# Altium PCB MicroBoard030603.PcbDoc (continued)
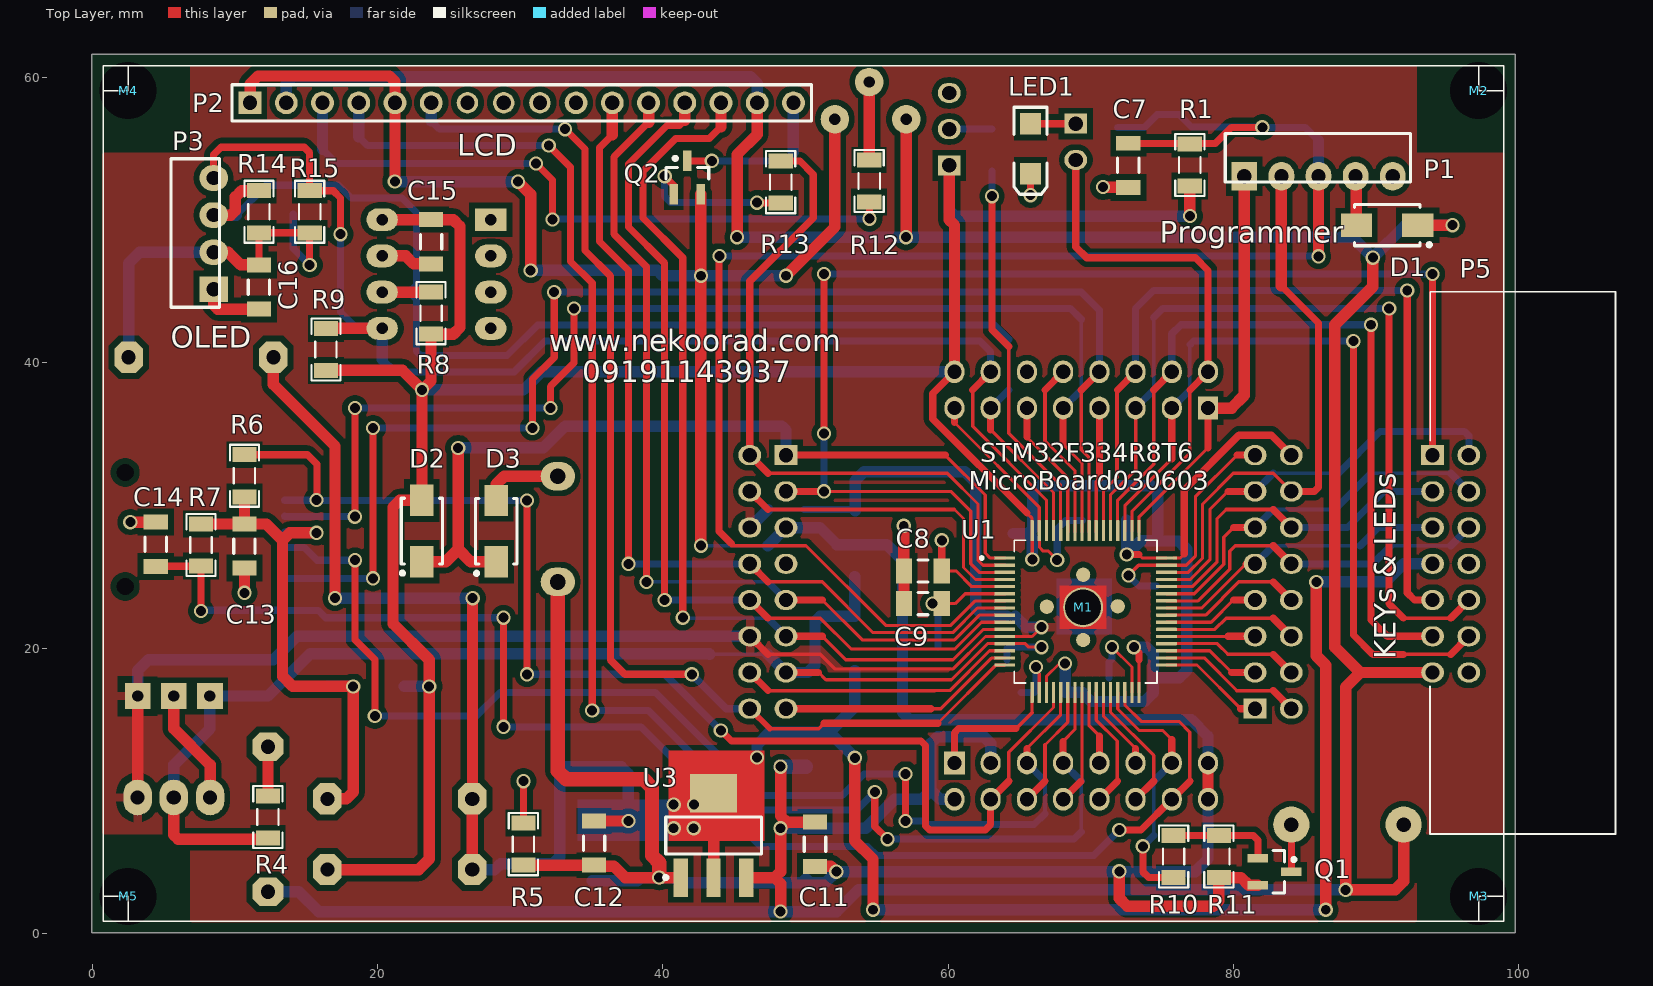
[diagram p0: Top Layer view]
## Nets (pads, with @x,y where several pads share a name; then routed paths per layer and width w, separated by ;. In a path a pad name is that pad's centre, name@x,y a point inside that pad or via, vN(x,y) a via of type N, cw(c..) or ccw(c..) an arc to the next point about the centre after c; other vN are vias at no path point)
+3V3: C12.2 CE5.1 L1.2 L2.1 L4.1 L5.1 LED2.1 P5.7 U3.2 U3.4 | length 174.5
  Top Layer w0.8: L5.1 12.7,38.481 17.018,34.163 v1(17.018,23.495) ; L2.1 L4.1 26.657,9.436 v1@26.657,23.482 ; C12.2 v1(37.592,7.874) ; U3.2 U3.4 43.861,9.808 46.372,12.319 v1(46.609,12.319) ; v1(53.467,12.301) 53.467,6.477 54.737,5.207 v1(54.737,1.651) ; v1(85.822,24.638) 85.822,19.461 86.487,18.796 v1(86.487,1.651)
  Bottom Layer w0.8: v1(17.018,23.495) v1(26.67,23.495) ; L2.1@26.645,4.445 28.194,4.445 28.631,4.882 LED2.1 32.297,4.882 32.766,5.351 32.766,11.197 33.235,11.666 34.857,11.666 34.884,11.693 37.075,11.693 37.592,11.176 v1(37.592,7.874) 39.37,7.874 40.489,8.993 42.164,8.993 v1(42.189,9.017) ; v1(46.609,12.319) 46.609,13.208 47.498,14.097 51.696,14.097 ; v1(53.467,12.301) 53.467,12.326 51.696,14.097 ; L1.2 53.467,15.868 51.696,14.097 ; v1(54.737,1.651) v1(86.487,1.651) ; v1(85.822,24.638) 90.678,24.638 91.948,25.908 P5.7
  other v1: 40.767,7.366 42.164,7.366 40.767,9.017
+3V3_MIC: C1.2 C2.2 C3.2 C4.2 C6.2 C15.2 CE2.1 D2.1 J2.1 L2.2 Pc.16 Pd.16 R1.2 R8.2 R9.2 U1.19 U1.32 U1.48 U1.64 U4.8 | length 236.8
  Top Layer w0.22: 65.532,29.464 65.898,29.098 U1.64 ; v1@65.903,26.203 U1.64@65.903,28.226 ; U1.19 66.898,18.003 67.818,18.923 v1(68.199,18.923) ; 73.391,26.558 73.638,26.311 U1.48 ; U1.32@73.402,16.895 73.402,19.178 ; U1.48@75.803,26.311 76.268,26.311 76.561,26.604
  Top Layer w0.5: Pd.16 58.928,37.846 58.928,36.068 65.532,29.464 ; v1(72.533,26.558) 73.391,26.558 ; v1(73.025,20.066) 73.402,19.689 73.402,19.178 ; 76.561,26.604 76.561,31.095 80.391,34.925 82.677,34.925 Pc.16
  Top Layer w0.8: R9.2 21.746,39.468 23.107,38.107 v1(23.114,38.107) ; L2.2 22.885,4.47 23.622,5.207 v1(23.622,17.31) 23.622,19.177 21.082,21.717 21.082,29.884 21.551,30.353 D2.1 23.114,38.1 23.749,38.735 R8.2 25.312,42.008 25.781,42.477 25.781,49.569 25.312,50.038 C15.2 U4.8 ; J2.1 60.086,50.023 60.452,49.657 Pd.16 ; v1(76.962,50.292) 76.958,50.296 76.958,52.409 R1.2@76.962,52.413
  Bottom Layer w0.8: CE2.1 v1(23.622,17.31) ; v1(23.114,38.107) 23.121,38.1 30.226,38.1 31.496,39.37 Pd.16 ; J2.1 60.086,50.673 60.467,50.292 v1(76.962,50.292) ; C4.2 65.615,28.033 ; v1(65.908,26.208) 65.908,27.74 65.615,28.033 ; v1(68.199,18.923) 68.212,18.91 68.212,16.904 C1.2 69.4,16.891 70.035,16.256 70.423,16.256 ; 70.424,16.256 73.785,16.256 74.379,16.85 C2.2 ; C6.2 72.525,28.948 v1@72.525,26.566 ; v1(72.533,26.558) 73.508,27.533 C3.2 ; v1(73.025,20.066) 73.914,20.066 74.379,19.601 C2.2 ; 65.615,28.033 65.933,28.351 65.933,30.9 66.402,31.369 74.239,31.369 74.708,30.9 C3.2 ; C2.2 76.206,17.906 76.733,18.433 76.733,26.933 76.158,27.508 74.733,27.508 C3.2
+3V3_OLED: C16.2 CE7.1 L5.2 P3.2 R14.2 R15.2 | length 28.7
  Top Layer w0.5: P3.2@8.389,47.879 P3.2 P3.2@8.513,47.756 ; 11.681,47.756 11.684,47.752 ; C16.2 11.684,47.752 ; v1(15.24,46.863) R15.2 R14.2 11.684,47.752
  Top Layer w0.8: P3.2@8.513,47.756 9.522,47.756 10.411,46.867 C16.2@11.681,46.867
  Bottom Layer w0.5: CE7.1 14.087,48.016 v1(15.24,46.863)
  Bottom Layer w0.8: L5.2 2.54,46.99 3.309,47.759 P3.2
+3V3_SD: C13.2 CE6.1 L4.2 R6.2 R7.1 SD.4 | length 38.9
  Top Layer w0.8: R7.1 C13.2 ; R6.2 C13.2 ; v1(15.718,28.081) 13.857,28.081 13.335,27.559 ; L4.2 17.805,9.423 18.288,9.906 v1(18.288,17.31) 14.059,17.31 13.335,18.034 13.335,27.559 ; C13.2 12.192,28.702 13.335,27.559
  Bottom Layer w0.5: SD.4 14.775,28.151 14.846,28.081 v1(15.718,28.081)
  Bottom Layer w0.8: CE6.1 v1(18.288,17.31)
+5V0: BK_LCD.1 Buz.1 C11.2 CE4.1 D1.2 L3.1 P2.2 P2.15 P5.13 Pb.2 Pb.3 U3.3 | length 284.7
  Top Layer w0.8: v1(45.212,48.808) 45.212,54.608 46.622,56.018 P2.15 ; U3.3 47.84,3.908 ; v1(48.26,1.524) 48.26,3.488 47.84,3.908 ; v1(48.26,11.684) 48.26,8.23 48.692,7.798 ; C11.2 48.692,7.798 ; v1@57.069,48.822 BK_LCD.1 ; v1(89.789,47.378) 89.789,45.339 87.122,42.672 87.122,20.066 88.9,18.288 ; Buz.1 91.948,3.644 91.352,3.048 v1(87.884,3.048) 87.884,17.272 88.9,18.288 ; D1.2 v1(95.377,49.657) ; P5.13 88.9,18.288 ; 47.84,3.908 48.26,4.328 v1(48.26,7.366) 48.692,7.798
  Bottom Layer w0.8: L3.1 14.478,2.921 15.875,1.524 v1(48.26,1.524) 52.197,1.524 53.721,3.048 v1(87.884,3.048) ; P2.2 13.602,59.589 14.071,60.058 46.153,60.058 46.622,59.589 P2.15 ; v1(45.212,48.808) v1(57.062,48.808) 88.359,48.808 v1(89.789,47.378) ; v1(48.26,7.366) 54.229,7.366 56.261,9.398 58.166,9.398 58.801,10.033 ; Pb.2 59.436,9.398 58.801,10.033 ; Pb.3 62.992,13.317 62.523,13.786 59.27,13.786 58.801,13.317 58.801,10.033 ; v1@89.789,47.371 92.075,49.657 v1(95.377,49.657)
  Bottom Layer w1: v1(48.26,11.684) 50.034,11.684 CE4.1
AGND: C5.1 CE1.2 Pa.6 Pa.12 POT1.2 U1.12 U2.1 | length 107.8
  Top Layer w0.22: 51.054,19.558 52.07,18.542 60.36,18.542 62.629,20.811 U1.12 65.896,20.811 v1(66.548,21.463)
  Top Layer w0.25: 47.371,19.558 51.054,19.558
  Top Layer w0.5: Pa.12 47.371,19.558
  Top Layer w0.8: U2.1 POT1.2@3.175,16.627
  Bottom Layer w0.25: 47.371,29.718 49.911,29.718
  Bottom Layer w0.5: 49.911,29.718 53.393,29.718 CE1.2
  Bottom Layer w0.8: POT1.2 3.185,18.425 3.937,19.177 12.7,19.177 14.351,20.828 Pa.12 ; Pa.6 47.371,29.718 ; CE1.2 53.482,31.732 54.108,32.358 61.183,32.358 61.933,31.608 61.933,22.808 62.491,22.25 C5.1 ; C5.1@64.727,22.224 65.488,21.463 v1(66.548,21.463)
BackLight: P2.16 Q2.3 | length 11.2
  Top Layer w0.5: Q2.3 v1(43.434,54.166)
  Bottom Layer w0.5: v1(43.434,54.166) 48.57,54.166 49.162,54.758
  Bottom Layer w0.8: 49.162,54.758 P2.16
BKL: Pa.2 R13.2 U1.2 | length 47.6
  Top Layer w0.22: 59.944,32.258 62.103,30.099 62.103,26.162 62.454,25.811 U1.2
  Top Layer w0.25: 47.371,32.258 59.944,32.258
  Top Layer w0.5: 47.371,32.258 Pa.2 46.101,45.72 50.546,50.165 50.546,53.213 49.615,54.144 R13.2
BOOT0: R3.1 U1.60 | length 27.3
  Top Layer w0.22: 64.262,35.052 67.893,31.421 U1.60@67.893,28.15
  Top Layer w0.25: 64.262,35.052 64.262,41.148
  Top Layer w0.5: v1(63.086,51.689) 63.086,42.324 64.262,41.148
  Bottom Layer w0.5: v1(63.086,51.689) R3.1
Buzzer: Pb.13 R10.2 U1.29 | length 18.3
  Top Layer w0.22: U1.29 71.898,15.732 73.406,14.224 75.057,14.224 75.692,13.589
  Top Layer w0.5: v1(73.66,6.096) 73.66,4.318 74.07,3.908 R10.2 ; Pb.13 75.692,13.589
  Bottom Layer w0.25: 74.422,6.858 74.422,10.668
  Bottom Layer w0.5: v1(73.66,6.096) 74.422,6.858 ; 74.422,10.668 Pb.13
EN: P2.6 Pa.16 U1.16 | length 80.9
  Top Layer w0.22: 59.294,14.747 63.343,18.796 63.964,18.796 U1.16
  Top Layer w0.25: 47.498,14.351 50.927,14.351 51.308,14.732
  Top Layer w0.4: Pa.16 47.498,14.351
  Top Layer w0.5: v1(33.147,56.388) 34.544,54.991 34.544,47.879 36.322,46.101 36.322,19.177 37.338,18.161 v1(42.037,18.161) ; 51.308,14.732 59.294,14.732
  Bottom Layer w0.5: 23.762,56.958 24.332,56.388 v1(33.147,56.388) ; v1(42.037,18.161) 44.45,15.748 Pa.16
  Bottom Layer w0.8: 23.762,56.958 P2.6
GND: B1.2 C1.1 C2.1 C3.1 C4.1 C6.1 C7.2 C8.1 C9.2 C13.1 C14.2 C15.1 C16.1 CE2.2 CE6.2 CE7.2 J2.3 K1.1 M1.1 P1.5 P3.1 P5.8 P5.14 Pc.15 Pd.15 R2.1 SD.6 SD.10 SD.11 SD.12 SD.13 U1.18 U1.31 U1.47 U1.63 U4.1 U4.2 U4.3 U4.4 U4.7 | length 88.5
  Top Layer w0.22: 60.452,35.814 66.398,29.868 U1.63 66.413,28.216 66.413,27.06 66.675,26.797 67.044,26.797 v1(67.658,26.183) ; v1(66.167,18.669) 66.167,18.453 66.398,18.222 U1.18 ; v1(71.501,20.066) 72.898,18.669 U1.31 ; 73.361,25.811 U1.47 76.703,25.811 77.343,26.451 77.343,30.607 80.264,33.528
  Top Layer w0.25: v1(72.653,25.103) 73.361,25.811
  Top Layer w0.5: 60.452,35.814 Pd.15 ; C7.2@72.631,52.311 C7.2 ; 80.264,33.528 Pc.15
  Top Layer w0.8: v1(2.667,28.829) C14.2 ; P3.1 8.509,44.057 8.802,43.764 C16.1 ; v1(10.668,23.876) C13.1 ; U4.7 21.971,47.498 22.53,46.939 C15.1 ; v1(56.896,28.575) 56.905,28.567 56.905,25.409 C8.1 C9.2 ; v1@70.898,52.311 C7.2@72.631,52.311
  Top Layer w1: B1.2 32.639,11.381 33.225,10.795 38.657,10.795 39.243,10.209 39.243,6.731
  Bottom Layer w0.22: C3.1@74.632,24.358 C3.1
  Bottom Layer w0.5: C1.1 66.05,16.891 66.167,17.008 v1(66.167,18.669) ; v1@67.658,26.183 C4.1 ; C4.1 67.657,28.358 68.255,28.956 C6.1 ; C2.1 71.28,19.005 71.501,19.226 v1(71.501,20.066) ; v1(72.653,25.103) 73.397,24.358 C3.1@74.632,24.358
  other v1: 70.866,52.324
I2C1-SCL: P3.3 Pd.13 R8.1 R14.1 U1.61 U4.6 | length 94.6
  Top Layer w0.22: 62.992,35.306 67.393,30.905 U1.61@67.393,28.15
  Top Layer w0.5: 62.992,35.306 Pd.13
  Top Layer w0.8: P3.3 9.719,50.359 10.033,50.673 10.033,51.633 10.47,52.07 R14.1 ; U4.6 R8.1
  Bottom Layer w0.25: 64.262,38.1 64.262,41.656
  Bottom Layer w0.5: 10.1,50.359 12.192,52.451 17.272,52.451 18.161,51.562 21.717,51.562 22.733,50.546 22.733,45.466 22.225,44.958 ; U4.6 22.225,44.958 ; Pd.13 64.262,38.1 ; 64.262,41.656 63.26,42.658 31.228,42.658 29.083,40.513 23.026,40.513 22.733,40.806 22.733,44.45 22.225,44.958
  Bottom Layer w0.8: P3.3 10.1,50.359
I2C1-SDA: P3.4 Pd.14 R9.1 R15.1 U1.62 U4.5 | length 90.7
  Top Layer w0.22: 61.722,35.56 66.898,30.384 U1.62
  Top Layer w0.25: 61.722,35.56 61.722,38.1
  Top Layer w0.5: P3.4 8.509,54.61 9.017,55.118 14.859,55.118 15.24,54.737 R15.1 16.891,52.07 17.399,51.562 v1(17.399,49.022) ; 61.722,38.1 Pd.14
  Top Layer w0.8: R9.1 U4.5
  Bottom Layer w0.5: v1(17.399,49.022) 17.399,43.561 18.542,42.418 ; 20.32,40.259 21.209,39.37 29.591,39.37 31.75,41.529 62.23,41.529 62.992,40.767 Pd.14
  Bottom Layer w0.8: 18.542,42.418 U4.5 20.32,40.259
K-R-A: P5.5 Pc.9 U1.41 | length 21
  Top Layer w0.22: U1.41 77.802,22.811 Pc.9@80.899,25.908
  Top Layer w0.5: Pc.9@80.899,25.908 Pc.9
  Bottom Layer w0.25: 82.804,27.178 88.9,27.178
  Bottom Layer w0.5: Pc.9 82.804,27.178 ; 88.9,27.178 90.17,28.448 P5.5
K-R-B: P5.6 Pc.10 U1.42 | length 24.7
  Top Layer w0.22: U1.42 77.54,23.311 79.756,25.527 79.756,26.797 80.137,27.178
  Top Layer w0.25: 80.137,27.178 82.804,27.178
  Top Layer w0.5: 82.804,27.178 Pc.10
  Bottom Layer w0.25: 91.059,27.178 95.25,27.178
  Bottom Layer w0.5: Pc.10@84.455,25.908 89.789,25.908 91.059,27.178 ; 95.25,27.178 P5.6
KEY3-R: P5.4 Pc.11 U1.43 | length 26.3
  Top Layer w0.22: U1.43 77.271,23.811 79.336,25.876 79.336,27.774 80.01,28.448
  Top Layer w0.5: 80.01,28.448 Pc.11
  Bottom Layer w0.25: 82.804,29.718 87.122,29.718 ; 89.662,32.258 95.25,32.258
  Bottom Layer w0.5: Pc.11 82.804,29.718 ; 87.122,29.718 89.662,32.258 ; 95.25,32.258 P5.4
KEY4: P5.3 Pc.12 U1.44 | length 23.9
  Top Layer w0.22: U1.44 77.129,24.311 78.867,26.049 78.867,29.083 79.502,29.718
  Top Layer w0.25: 79.502,29.718 82.804,29.718
  Top Layer w0.5: 82.804,29.718 Pc.12
  Bottom Layer w0.5: Pc.12@84.455,28.448 88.011,28.448 90.551,30.988 P5.3
KEY5: P5.2 Pc.13 U1.45 | length 29
  Top Layer w0.22: U1.45 76.987,24.811 78.359,26.183 78.359,29.718 79.629,30.988
  Top Layer w0.5: 79.629,30.988 Pc.13
  Bottom Layer w0.25: 82.804,32.258 87.376,32.258
  Bottom Layer w0.5: Pc.13 82.804,32.258 ; 87.376,32.258 90.297,35.179 96.227,35.179 96.52,34.886 P5.2
KEY6: P5.1 Pa.3 U1.3 | length 90.5
  Top Layer w0.22: v1(51.308,30.988) 60.198,30.988 61.595,29.591 61.595,25.908 62.192,25.311 U1.3
  Top Layer w0.5: Pa.3 v1(51.308,30.988) ; v1(51.308,35.052) v1(51.308,46.228) ; P5.1 v1(93.98,46.228)
  Bottom Layer w0.5: v1(51.308,30.988) v1(51.308,35.052) ; v1(51.308,46.228) v1(93.98,46.228)
LCD-D4: P2.11 Pa.8 U1.8 | length 62.6
  Top Layer w0.22: 51.181,24.638 54.737,21.082 60.332,21.082 62.061,22.811 U1.8
  Top Layer w0.25: 47.371,24.638 51.181,24.638
  Top Layer w0.5: 36.462,55.983 35.56,55.081 35.56,48.514 37.592,46.482 v1(37.592,25.908) ; Pa.8 47.371,24.638
  Top Layer w0.8: 36.462,55.983 P2.11
  Bottom Layer w0.5: v1(37.592,25.908) Pa.8
LCD-D5: P2.12 Pa.9 U1.9 | length 63.1
  Top Layer w0.22: 51.181,23.368 53.975,20.574 60.466,20.574 62.203,22.311 U1.9
  Top Layer w0.5: v1(38.862,24.638) 38.862,46.736 36.576,49.022 36.576,54.447 39.002,56.873 ; Pa.9 51.181,23.368
  Top Layer w0.8: 39.002,56.873 P2.12
  Bottom Layer w0.25: v1(38.862,24.638) 47.371,24.638
  Bottom Layer w0.5: 47.371,24.638 Pa.9
LCD-D6: P2.13 Pa.10 U1.10 | length 64.1
  Top Layer w0.22: 51.054,22.098 53.213,19.939 60.473,19.939 62.345,21.811 U1.10
  Top Layer w0.25: 47.371,22.098 51.054,22.098
  Top Layer w0.5: v1(40.132,23.368) 40.132,46.99 37.592,49.53 37.592,53.938 40.302,56.648 41.177,56.648 41.542,57.013 ; Pa.10 47.371,22.098
  Top Layer w0.8: 41.542,57.013 P2.13
  Bottom Layer w0.5: v1(40.132,23.368) Pa.10
LCD-D7: P2.14 Pa.11 U1.11 | length 65.5
  Top Layer w0.22: 51.181,20.828 52.832,19.177 60.353,19.177 62.487,21.311 U1.11
  Top Layer w0.5: v1(41.402,22.128) 41.402,47.371 38.608,50.165 38.608,53.429 40.912,55.733 43.262,55.733 44.082,56.553 ; Pa.11 51.181,20.828
  Top Layer w0.8: 44.082,56.553 P2.14
  Bottom Layer w0.25: v1@41.432,22.098 47.371,22.098
  Bottom Layer w0.5: 47.371,22.098 Pa.11
LED1: P5.12 Pd.3 U1.51 | length 56.3
  Top Layer w0.22: U1.51 72.398,29.98 75.692,33.274
  Top Layer w0.25: 91.948,19.558 95.25,19.558
  Top Layer w0.5: 75.692,33.274 Pd.3 ; v1(88.422,41.522) 88.422,20.925 89.789,19.558 91.948,19.558 ; 95.25,19.558 P5.12
  Bottom Layer w0.25: 76.962,38.1 76.962,41.275
  Bottom Layer w0.5: Pd.3 76.962,38.1 ; 76.962,41.275 77.209,41.522 v1(88.422,41.522)
LED2: P5.11 Pd.4 U1.52 | length 55.2
  Top Layer w0.22: U1.52@71.893,28.15 71.893,30.364 74.422,32.893
  Top Layer w0.25: 74.422,32.893 74.422,38.1
  Top Layer w0.5: 74.422,38.1 Pd.4 ; v1(89.662,42.672) 89.662,21.971 90.805,20.828 P5.11
  Bottom Layer w0.5: Pd.4 75.692,42.037 76.327,42.672 v1(89.662,42.672)
LED3: P5.10 Pd.5 U1.53 | length 60.3
  Top Layer w0.22: U1.53@71.393,28.15 71.393,30.753 73.152,32.512
  Top Layer w0.25: 73.152,32.512 Pd.5 ; 91.948,22.098 95.25,22.098
  Top Layer w0.5: v1(90.932,43.815) 90.932,23.114 91.948,22.098 ; 95.25,22.098 P5.10
  Bottom Layer w0.25: 74.422,38.1 74.422,43.18
  Bottom Layer w0.5: Pd.5 74.422,38.1 ; 74.422,43.18 75.064,43.822 v1@90.925,43.822
LED4: P5.9 Pd.6 U1.54 | length 59.4
  Top Layer w0.22: U1.54@70.893,28.15 70.893,31.015 71.849,31.971
  Top Layer w0.25: 71.849,31.971 71.849,38.067 71.882,38.1
  Top Layer w0.5: 71.882,38.1 Pd.6 ; v1(92.202,45.078) 92.202,23.876 92.71,23.368 P5.9
  Bottom Layer w0.5: Pd.6 73.152,43.815 74.415,45.078 v1(92.202,45.078)
MCU_RESET: C7.1 K1.2 P1.3 R1.1 U1.7 | length 118.1
  Top Layer w0.22: 44.806,27.178 44.727,27.257 44.727,27.328 44.806,27.328 ; 50.038,27.178 55.626,21.59 60.198,21.59 61.919,23.311 U1.7
  Top Layer w0.25: 44.806,27.178 50.038,27.178
  Top Layer w0.5: v1@43.942,47.468 43.942,28.192 44.806,27.328 ; C7.1@72.663,55.378 R1.1@76.935,55.378 ; R1.1@76.967,55.372 78.74,55.372 79.883,56.515 v1(82.042,56.515)
  Top Layer w0.8: C7.1 C7.1@72.663,55.378 ; R1.1@76.935,55.378 R1.1 R1.1@76.967,55.372 ; v1(85.979,47.468) P1.3
  Bottom Layer w0.5: v1@43.987,47.483 85.964,47.483 v1(85.979,47.468) ; K1.2@71.906,56.515 73.787,56.515 74.676,57.404 76.2,57.404 77.069,56.535 K1.2@79.146,56.535 ; K1.2@79.156,56.525 v1@82.032,56.525 ; v1(82.042,56.515) 85.03,56.515 85.979,55.566
  Bottom Layer w0.8: P1.3 85.979,55.566
  other v1: 43.972,47.498
NetB1_1: B1.1 D3.1 | length 5.7
  Top Layer w0.8: D3.1 28.321,31.496 28.88,32.055 B1.1
NetBK_LCD_3: BK_LCD.3 R12.2 | length 5.5
  Top Layer w0.8: R12.2 BK_LCD.3
NetBuz_2: Buz.2 Q1.3 | length 3.3
  Top Layer w0.5: Q1.3 Buz.2
NetD1_1: D1.1 P1.4 | length 3.5
  Top Layer w0.5: D1.1@88.579,49.724 88.613,49.691 D1.1
  Top Layer w0.8: P1.4 88.613,53.052 D1.1@88.613,49.691
NetJ1_1: J1.1 LED1.1 | length 3.2
  Top Layer w0.5: LED1.1 J1.1
NetJ2_2: J2.2 R3.2 | length 3
  Bottom Layer w0.5: J2.2 R3.2
NetL3_2: L3.2 R4.1 | length 3.4
  Top Layer w0.8: R4.1@12.319,9.639 L3.2
NetLED1_2: LED1.2 R2.2 | length 3.1
  Top Layer w0.5: v1@65.786,51.816 LED1.2
  Bottom Layer w0.5: v1(65.786,51.76) R2.2
NetLED2_2: LED2.2 R5.2 | length 5.2
  Top Layer w0.5: R5.2 v1(30.226,10.668)
  Bottom Layer w0.5: LED2.2 v1(30.226,10.668)
NetPOT1_3: POT1.3 U2.3 | length 8.2
  Top Layer w0.8: POT1.3 5.715,14.351 8.255,11.811 U2.3
NetQ1_1: Q1.1 R10.1 R11.2 | length 7.3
  Top Layer w0.5: R10.1 R11.2 81.407,6.858 81.724,6.541 Q1.1
NetQ2_1: Q2.1 R13.1 | length 11.3
  Top Layer w0.5: v1(40.132,53.086) 40.772,52.446 Q2.1 ; v1@46.629,51.213 48.249,51.213 R13.1
  Bottom Layer w0.5: v1(40.132,53.086) 40.132,51.663 40.562,51.233 v1(46.609,51.233)
OSC_IN: C8.2 U1.5 Y1.2 | length 6.9
  Top Layer w0.22: C8.2@59.69,25.4 60.579,25.4 61.668,24.311 U1.5
  Top Layer w0.5: C8.2 v1(59.563,27.559)
OSC_OUT: C9.1 U1.6 Y1.1 | length 7.8
  Top Layer w0.22: C9.1@59.69,23.114 60.499,23.114 61.196,23.811 U1.6
  Bottom Layer w0.5: v1(58.928,23.114) 59.309,22.733 Y1.1
PA0: Pa.14 U1.14 | length 19.6
  Top Layer w0.22: 59.055,17.018 60.12,17.018 62.913,19.811 U1.14
  Top Layer w0.25: 47.371,17.018 59.055,17.018
  Top Layer w0.5: Pa.14 47.371,17.018
PA1: Pa.15 U1.15 | length 16.8
  Top Layer w0.22: 58.801,15.748 59.492,15.748 63.041,19.296 63.964,19.296 U1.15
  Top Layer w0.5: Pa.15 58.801,15.748
PA3: Pb.1 U1.17 | length 9.6
  Top Layer w0.22: 65.898,15.479 U1.17
  Top Layer w0.25: 64.77,14.351 65.898,15.479
  Top Layer w0.5: Pb.1 60.452,14.058 60.745,14.351 64.77,14.351
PA6: Pb.6 U1.22 | length 8.7
  Top Layer w0.22: 66.802,13.208 68.398,14.804 U1.22
  Top Layer w0.25: 66.802,10.668 66.802,13.208
  Top Layer w0.5: Pb.6 66.802,10.668
PA15: J1.2 Pd.2 U1.50 | length 36.5
  Top Layer w0.22: U1.50 72.898,29.591 76.962,33.655
  Top Layer w0.25: 76.962,33.655 76.962,38.1
  Top Layer w0.5: J1.2 68.961,48.133 69.723,47.371 77.343,47.371 78.232,46.482 Pd.2 76.962,38.1
PB0: Pb.10 U1.26 | length 8.6
  Top Layer w0.22: U1.26 70.398,14.946 71.882,13.462
  Top Layer w0.25: 71.882,10.668 71.882,13.462
  Top Layer w0.5: Pb.10 71.882,10.668
PB1: Pb.11 U1.27 | length 5.9
  Top Layer w0.22: U1.27 70.898,15.208 73.152,12.954
  Top Layer w0.5: Pb.11 73.152,12.954
PB2: Pb.12 U1.28 | length 9.3
  Top Layer w0.22: U1.28 71.398,15.5 74.422,12.476 74.422,12.446
  Top Layer w0.25: 74.422,10.668 74.422,12.446
  Top Layer w0.5: Pb.12 74.422,10.668
PB3: Pd.7 U1.55 | length 8.8
  Top Layer w0.22: U1.55@70.394,28.15 U1.55@70.394,28.913 ; U1.55@70.393,28.913 70.393,31.658 70.612,31.877
  Top Layer w0.5: 70.612,31.877 Pd.7
PB6: Pd.10 U1.58 | length 12.6
  Top Layer w0.22: 66.802,34.544 68.893,32.453 U1.58@68.893,28.15
  Top Layer w0.25: 66.802,34.544 66.802,38.1
  Top Layer w0.5: 66.802,38.1 Pd.10
PB7: Pd.11 U1.59 | length 9.9
  Top Layer w0.22: 65.532,34.798 68.393,31.937 U1.59@68.393,28.15
  Top Layer w0.5: 65.532,34.798 Pd.11
PB11: C14.1 Pb.14 R7.2 SD.9 U1.30 | length 99.2
  Top Layer w0.22: U1.30@72.413,16.966 72.413,15.987 73.54,14.859 76.2,14.859 76.962,14.097
  Top Layer w0.25: 76.962,10.668 76.962,14.097
  Top Layer w0.5: C14.1 4.456,25.741 7.609,25.741 R7.2 v1(7.62,22.606) ; v1(28.829,14.478) v1(28.829,22.128) ; v1(72.009,7.239) 73.533,7.239 Pb.14 76.962,10.668
  Bottom Layer w0.5: v1(7.62,22.606) 7.665,22.651 SD.9 13.484,22.628 15.853,22.628 16.353,22.128 v1(28.829,22.128) ; v1(28.829,14.478) 38.481,14.478 46.863,6.096 54.356,6.096 54.998,5.454 70.224,5.454 v1(72.009,7.239)
PB12: Pc.1 U1.33 | length 7.5
  Top Layer w0.22: U1.33 77.455,18.811 80.518,15.748
  Top Layer w0.5: 80.518,15.748 Pc.1
PB13: Pc.2 U1.34 | length 10.2
  Top Layer w0.22: U1.34 77.971,19.311 80.264,17.018
  Top Layer w0.25: 80.264,17.018 82.804,17.018
  Top Layer w0.5: 82.804,17.018 Pc.2
PB14: Pc.3 U1.35 | length 6.8
  Top Layer w0.22: U1.35 78.36,19.811 79.883,18.288
  Top Layer w0.5: 79.883,18.288 Pc.3
PB15: Pc.4 U1.36 | length 9.6
  Top Layer w0.22: U1.36 78.876,20.311 79.629,19.558
  Top Layer w0.25: 79.629,19.558 82.804,19.558
  Top Layer w0.5: 82.804,19.558 Pc.4
PC4: Pb.8 U1.24 | length 8
  Top Layer w0.22: 69.31,10.636 69.398,10.724 U1.24
  Top Layer w0.5: Pb.8 69.31,10.636
PC5: Pb.9 U1.25 | length 5.2
  Top Layer w0.22: U1.25 69.898,14.557 70.612,13.843
  Top Layer w0.5: Pb.9 70.612,13.843
PC6: Pc.5 U1.37 | length 6.2
  Top Layer w0.22: U1.37 79.612,20.811
  Top Layer w0.5: 79.629,20.828 Pc.5
PC7: Pc.6 U1.38 | length 9.6
  Top Layer w0.22: U1.38 78.715,21.311 79.502,22.098
  Top Layer w0.25: 79.502,22.098 82.804,22.098
  Top Layer w0.5: 82.804,22.098 Pc.6
PC8: Pc.7 U1.39 | length 6.9
  Top Layer w0.22: U1.39 78.453,21.811 80.01,23.368
  Top Layer w0.5: 80.01,23.368 Pc.7
PC9: Pc.8 U1.40 | length 10.2
  Top Layer w0.22: U1.40 78.064,22.311 80.391,24.638
  Top Layer w0.25: 80.391,24.638 82.804,24.638
  Top Layer w0.5: 82.804,24.638 Pc.8
PC15: Pa.4 U1.4 | length 22.4
  Top Layer w0.22: 60.452,29.718 61.087,29.083 61.087,25.647 61.923,24.811 U1.4
  Top Layer w0.25: 47.371,29.718 60.452,29.718
  Top Layer w0.5: Pa.4 47.371,29.718
PGND: BK_LCD.2 C11.1 C12.1 CE4.2 CE5.2 P2.1 P2.5 Pa.5 Pb.15 Pb.16 Q1.2 Q2.2 R5.1 R11.1 U3.1 | length 220.3
  Top Layer w0.8: P2.1 11.062,59.552 11.626,60.116 20.828,60.116 21.222,59.722 P2.5 v1@21.222,52.712 ; v1(29.845,52.705) 30.734,51.816 v1@30.734,46.536 ; R5.1 C12.1 35.255,4.7 36.575,4.7 37.367,3.908 v1(39.751,3.908) U3.1 ; v1(42.672,27.178) v1(42.672,46.108) Q2.2 ; v1(48.641,46.108) 48.648,46.108 52.069,49.529 BK_LCD.2 ; C11.1 51.786,4.699 v1(52.167,4.318) ; v1(72.009,4.348) 72.009,2.452 72.556,1.905 78.613,1.905 78.994,2.286 R11.1 80.547,3.908 81.087,3.368 Q1.2 ; Pb.16 Pb.15
  Top Layer w1: 39.243,6.731 39.243,5.461 39.751,4.953 v1(39.751,3.908)
  Bottom Layer w0.25: v1(42.672,27.178) 47.371,27.178
  Bottom Layer w0.8: v1(21.212,52.712) 21.215,52.709 29.842,52.709 v1(29.845,52.705) ; v1(30.734,46.482) 39.624,46.482 39.998,46.108 v1(42.672,46.108) ; CE5.2 38.227,3.683 38.452,3.908 v1(39.751,3.908) 40.796,3.908 41.148,3.556 CE4.2@49.938,3.556 ; v1@42.679,46.108 v1(48.641,46.108) ; 47.371,27.178 Pa.5 51.018,28.448 52.208,27.258 55.708,27.258 56.808,26.158 56.808,15.483 57.305,14.986 77.055,14.986 78.232,13.809 Pb.15 ; CE4.2@50.138,3.556 51.405,3.556 v1(52.167,4.318) ; v1@52.203,4.324 71.985,4.324 v1(72.009,4.348) ; v1@72.009,4.318 77.343,4.318 78.232,5.207 Pb.16
  Bottom Layer w1: CE4.2@49.938,3.556 49.938,3.583 CE4.2 ; CE4.2@50.038,3.656 CE4.2@50.138,3.556
RS: P2.4 Pb.7 U1.23 | length 108.2
  Top Layer w0.22: 68.072,13.462 68.898,14.288 U1.23
  Top Layer w0.5: v1(32.004,55.238) 33.528,53.714 33.528,47.117 35.052,45.593 v1(35.052,15.628) ; v1(54.864,9.906) 54.864,7.493 v1(55.753,6.604) ; Pb.7 68.072,13.462
  Bottom Layer w0.25: 69.342,7.112 69.342,10.668
  Bottom Layer w0.5: 18.682,55.838 19.282,55.238 v1(32.004,55.238) ; v1(35.052,15.628) 38.982,15.628 45.971,8.639 53.597,8.639 v1(54.864,9.906) ; v1(55.753,6.604) 68.834,6.604 69.342,7.112 ; Pb.7 69.342,10.668
  Bottom Layer w0.8: 18.682,55.838 P2.4
SD-CLK: Pb.5 SD.5 U1.21 | length 81.9
  Top Layer w0.22: 65.532,12.954 67.898,15.32 U1.21
  Top Layer w0.5: v1@18.408,26.155 18.408,20.581 19.812,19.177 v1(19.812,15.24) ; v1(57.023,7.874) v1(57.023,11.176) ; Pb.5 65.532,12.954
  Bottom Layer w0.25: 66.802,8.382 66.802,10.668
  Bottom Layer w0.5: SD.5 14.859,27.051 15.748,26.162 v1(18.415,26.162) ; v1(19.812,15.24) 26.924,15.24 28.575,16.891 39.497,16.891 46.736,9.652 52.578,9.652 54.102,11.176 v1(57.023,11.176) ; v1(57.023,7.874) 57.027,7.87 58.273,7.87 58.523,7.62 66.04,7.62 66.802,8.382 ; Pb.5 66.802,10.668
SD-CS: Pb.4 R6.1 SD.2 U1.20 | length 88.7
  Top Layer w0.22: 64.262,12.7 67.398,15.836 U1.20
  Top Layer w0.25: 64.262,10.668 64.262,12.7
  Top Layer w0.5: R6.1 15.084,33.557 15.748,32.893 15.748,30.411 v1(15.718,30.381) ; v1(30.48,18.161) v1(30.48,30.353) ; v1(44.069,14.224) 44.816,13.477 58.112,13.477 58.42,13.169 58.42,7.532 58.713,7.239 62.611,7.239 62.992,7.62 Pb.4 64.262,10.668
  Bottom Layer w0.5: SD.2 13.477,30.366 15.703,30.366 v1(15.718,30.381) ; v1@15.748,30.353 17.798,30.353 17.805,30.36 24.023,30.36 24.03,30.353 v1(30.48,30.353) ; v1(30.48,18.161) 40.132,18.161 v1(44.069,14.224)
SD-DI: Pd.9 SD.3 U1.57 | length 85.8
  Top Layer w0.22: 68.072,34.29 69.393,32.969 U1.57@69.393,28.15
  Top Layer w0.5: v1(18.408,29.21) 18.408,36.823 v1(18.415,36.83) ; v1(32.131,36.83) 32.131,38.354 33.782,40.005 v1(33.782,43.808) ; 68.072,34.29 Pd.9
  Bottom Layer w0.25: 69.342,38.1 69.342,43.053
  Bottom Layer w0.5: SD.3 13.483,29.231 18.388,29.231 v1(18.408,29.21) ; v1(18.415,36.83) v1(32.131,36.83) ; v1(33.782,43.808) 33.789,43.815 68.58,43.815 69.342,43.053 ; Pd.9 69.342,38.1
SD-DO: Pd.8 SD.7 U1.56 | length 93.2
  Top Layer w0.22: 69.342,33.909 69.893,33.358 U1.56@69.893,28.15
  Top Layer w0.25: 69.342,33.909 69.342,38.1
  Top Layer w0.5: v1(19.685,24.892) v1(19.685,35.433) ; v1(30.861,35.433) 30.861,38.862 32.385,40.386 v1(32.385,44.958) ; 69.342,38.1 Pd.8
  Bottom Layer w0.5: SD.7 13.483,24.871 19.665,24.871 v1(19.685,24.892) ; v1(19.685,35.433) v1(30.861,35.433) ; v1(32.385,44.958) 69.342,44.958 70.612,43.688 Pd.8
SWCLK: P1.1 Pd.1 U1.49 | length 28.9
  Top Layer w0.22: U1.49@73.403,28.159 73.403,29.207 78.232,34.036
  Top Layer w0.5: 78.232,34.036 Pd.1
  Top Layer w0.8: Pd.1 79.883,36.83 80.779,37.726 P1.1
SWDIO: P1.2 Pc.14 U1.46 | length 39.3
  Top Layer w0.22: U1.46 76.845,25.311 77.851,26.317 77.851,30.099 80.01,32.258
  Top Layer w0.25: 80.01,32.258 82.804,32.258 Pc.14
  Top Layer w0.5: 83.379,45.399 85.979,42.799 85.979,31.281 85.686,30.988 Pc.14
  Top Layer w0.8: 83.379,45.399 P1.2
V0: P2.3 R12.1 | length 46.4
  Top Layer w0.5: v1(31.115,53.975) 32.262,52.828 v1(32.262,50.058) ; R12.1 54.487,51.261 v1(54.487,50.108)
  Bottom Layer w0.5: 16.137,54.983 17.145,53.975 v1(31.115,53.975) ; v1@32.274,50.07 32.287,50.083 v1@54.487,50.083
  Bottom Layer w0.8: 16.137,54.983 P2.3@16.137,58.233
V_BAT: D2.2 D3.2 Pa.1 U1.1 | length 59.2
  Top Layer w0.22: 59.817,33.528 62.611,30.734 62.611,26.67 62.97,26.311 U1.1
  Top Layer w0.5: Pa.1 59.817,33.528
  Top Layer w0.8: D2.2 23.119,26.049 24.779,26.049 25.654,26.924 ; v1(25.654,34.036) 25.654,26.924 ; D3.2@28.317,26.049 D3.2 26.534,26.044 25.654,26.924
  Bottom Layer w0.8: v1(25.654,34.036) 31.623,34.036 33.147,35.56 48.348,35.56 48.641,35.267 Pa.1
VDDA: C5.2 CE1.1 L1.1 Pa.13 POT1.1 R4.2 U1.13 U2.2 | length 93.2
  Top Layer w0.22: 50.927,18.288 51.435,17.78 60.24,17.78 62.771,20.311 U1.13 65.414,20.311 65.659,20.066 v1(66.548,20.066)
  Top Layer w0.5: Pa.13 50.927,18.288
  Top Layer w0.8: U2.2 5.715,6.897 6.008,6.604 R4.2@12.262,6.604
  Bottom Layer w0.25: 43.307,19.558 47.371,19.558
  Bottom Layer w0.5: C5.2 64.135,19.949 64.252,20.066 v1(66.548,20.066)
  Bottom Layer w0.8: U2.2 5.715,11.811 8.245,14.341 POT1.1 12.319,16.637 15.277,19.595 43.27,19.595 43.307,19.558 ; 47.371,19.558 Pa.13 50.165,18.288 50.673,18.796 50.673,21.844 51.054,22.225 L1.1 CE1.1
pads on no net: K1.3 M2.1 M3.1 M4.1 M5. P2.7 P2.8 P2.9 P2.10 Pa.7 Pd.12 SD. SD.1 SD.8

## Polygon pours and split planes (outlines as drawn)
GND on Bottom Layer "NONET_L-01_P-001" (solid, pour order 0): 0.712,60.883 99.012,60.883 99.012,0.783 0.712,0.783
AGND on Top Layer "NONET_L-01_P-001" (solid, pour order 1): 0.712,60.883 99.012,60.883 99.012,0.783 0.712,0.783

## Other copper
Top Layer:
  rectangle net AGND: 67.818,21.336 71.12,24.384
  rectangle net +3V3: 40.386,6.477 47.117,12.827
  pour cut-out: 6.858,0.833 6.858,6.929 0.762,6.929 0.762,0.833
  pour cut-out: 98.962,6.929 92.866,6.929 92.866,0.833 98.962,0.833
  pour cut-out: 92.866,60.833 92.866,54.737 98.962,54.737 98.962,60.833
  pour cut-out: 0.762,54.737 6.858,54.737 6.858,60.833 0.762,60.833
Bottom Layer:
  rectangle net +3V3: 34.036,6.477 42.545,9.398
  rectangle net GND: 67.591,20.955 71.501,24.892
  pour cut-out: 0.762,0.833 6.858,0.833 6.858,6.929 0.762,6.929
  pour cut-out: 98.962,0.833 98.962,6.929 92.866,6.929 92.866,0.833
  pour cut-out: 98.962,60.833 92.866,60.833 92.866,54.737 98.962,54.737
  pour cut-out: 0.762,60.833 0.762,54.737 6.858,54.737 6.858,60.833

## Silkscreen, mask and mechanical layers (free items; w line width, h text height)
Top Overlay:
  lines w0.1: 0.762,2.583 2.512,2.583 2.512,0.833 ; 0.762,59.083 2.512,59.083 2.512,60.833 ; 97.212,0.833 97.212,2.583 98.962,2.583 ; 97.212,60.833 97.212,59.083 98.962,59.083 ; 0.762,0.833 98.962,0.833 98.962,60.833 0.762,60.833 0.762,0.833
  text "LCD" at 25.573,54.529 h1.5
  text "Programmer" at 74.849,48.425 h1.5
  text "OLED" at 5.507,41.067 h1.5
  text "www.nekoorad.com" at 32.05,40.813 h1.5
  text "09191143937" at 34.336,38.654 h1.5
  text "STM32F334R8T6" at 62.271,33.083 h1.3
  text "MicroBoard030603" at 61.468,31.115 h1.3
  text "KEYs & LEDs" at 91.394,19.223 h1.5 r90
Mechanical 1:
  the board outline again, w0.254

## Text inside footprints (layer, text, board x,y; h text height)
Buz: Bottom Overlay "+" at 91.059,5.588 h1.3 r180
Pa: Bottom Overlay "2" at 46.355,35.56 h1.3; Bottom Overlay "1" at 49.149,35.56 h1.3; Bottom Overlay "15" at 52.451,14.732 h1.3; Bottom Overlay "16" at 44.196,14.859 h1.3
Pb: Bottom Overlay "32" at 81.788,9.398 h1.3; Bottom Overlay "31" at 81.534,11.684 h1.3; Bottom Overlay "17" at 58.42,11.811 h1.3; Bottom Overlay "18" at 58.293,8.636 h1.3
Pc: Bottom Overlay "47" at 82.55,35.306 h1.2; Bottom Overlay "34" at 87.884,14.986 h1.3; Bottom Overlay "33" at 79.629,14.986 h1.3; Bottom Overlay "48" at 85.217,35.306 h1.2
Pd: Bottom Overlay "49" at 81.788,37.084 h1.2; Bottom Overlay "50" at 81.915,39.243 h1.2; Bottom Overlay "63" at 58.674,36.195 h1.3; Bottom Overlay "64" at 58.674,38.862 h1.3
U2: Bottom Overlay "+" at 5.984,7.411 h1.3; Bottom Overlay "-" at 3.444,7.411 h1.3; Bottom Overlay "T" at 7.635,7.284 h1.3 r270